# Altium PCB PCIe_to_M2E.PcbDoc (part 3 of 6)
Units mm, origin at the board's own origin, x right, y up, seen from the top; angles counter-clockwise.
Board outline 90 x 100 mm, 6 copper layers (1_TOP, 2_GND, 3_Signal, 4_GND, 5_Signal, 6_BOTTOM), stack 1.617 mm thick; 433 components, 362 nets, 1771 pads, 2680 vias.
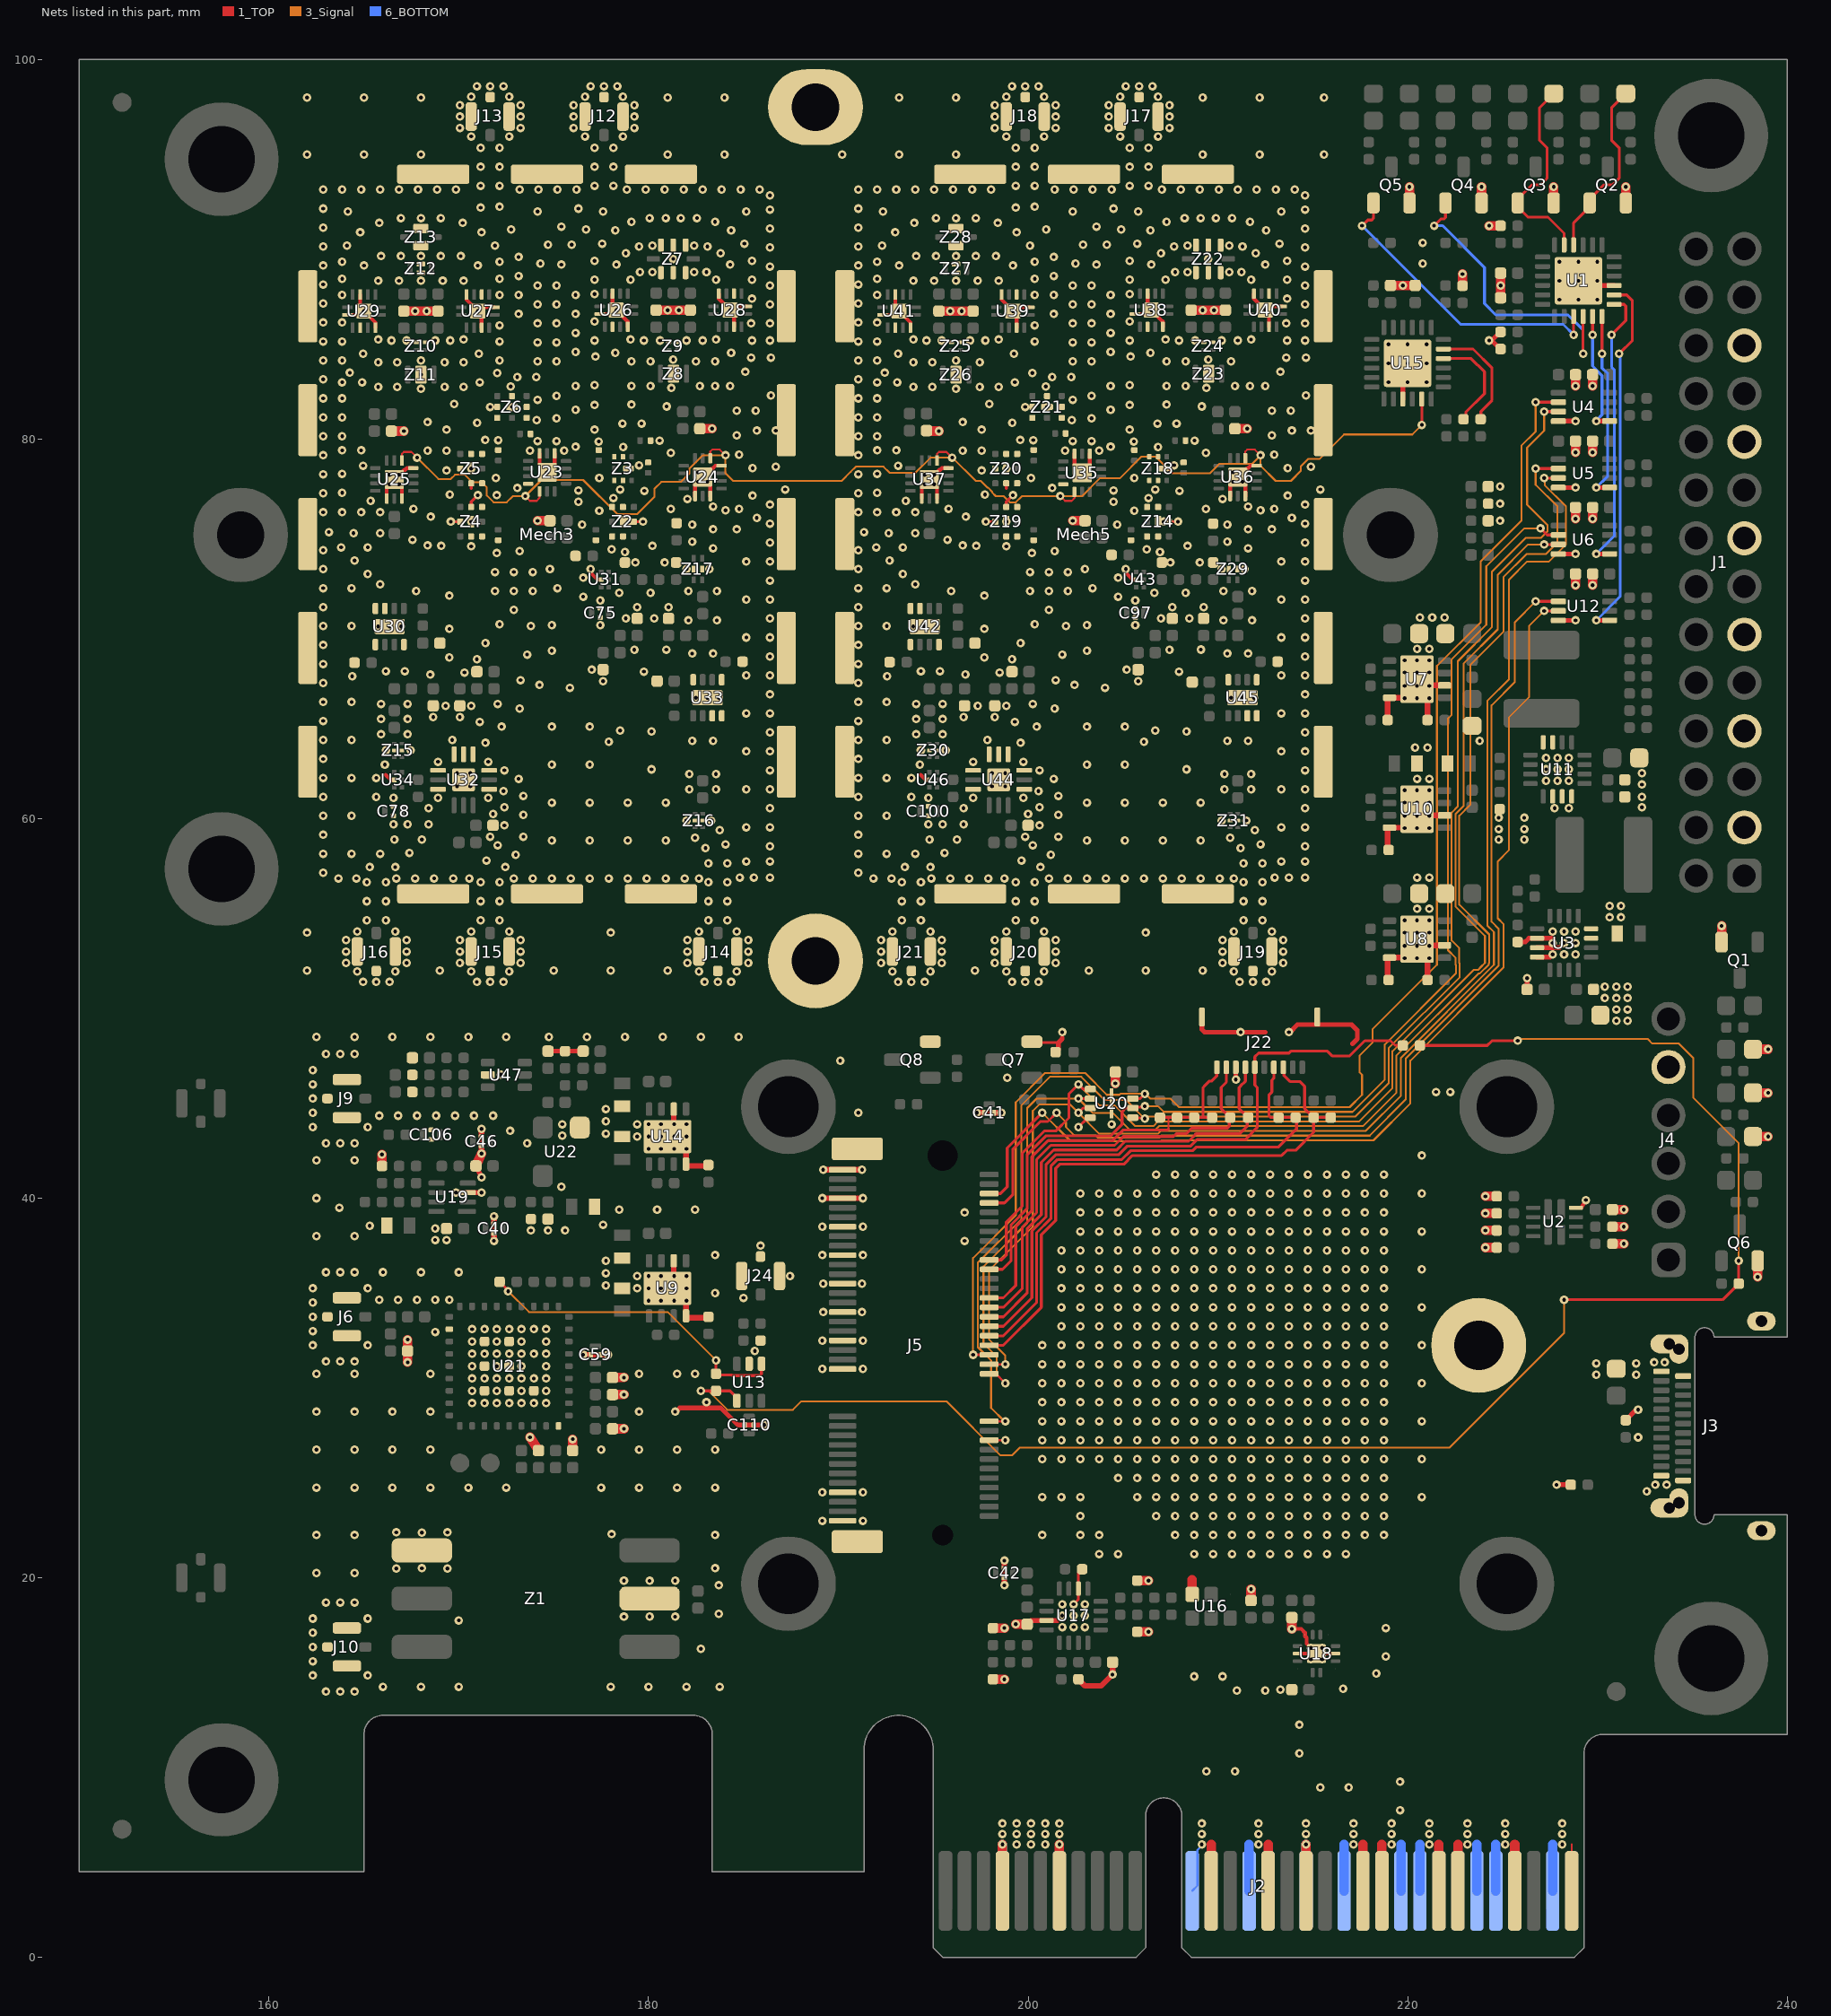
[diagram p7: the nets of this part, all layers, seen from the top]

## Via types
v1: diameter 0.45, hole 0.2, 1_TOP to 6_BOTTOM, tented both sides, 2680 vias

## Nets (pads, with @x,y where several pads share a name; then routed paths per layer and width w, separated by ;. In a path a pad name is that pad's centre, name@x,y a point inside that pad or via, vN(x,y) a via of type N, cw(c..) or ccw(c..) an arc to the next point about the centre after c; other vN are vias at no path point) (continued)
GCP11: U15.11 U23.1 U24.1 U25.1 U35.1 U36.1 U37.1 | length 73.3
  1_TOP w0.1: U25.1@167,78.875 167,79.225 167.1,79.325 167.5,79.325 v1(167.8,79.025) ; v1(173.5,77) 173.75,76.75 174.1,76.75 174.25,76.9 U23.1@174.25,77.25 ; U24.1@183.25,79 183.25,79.35 183.35,79.45 183.75,79.45 v1(184.05,79.15) ; U37.1@195.2,78.875 195.2,79.225 195.3,79.325 195.7,79.325 v1(196,79.025) ; v1(201.7,77) 201.95,76.75 202.3,76.75 202.45,76.9 U35.1@202.45,77.225 ; U36.1@211.45,79 211.45,79.35 211.55,79.45 211.95,79.45 v1(212.25,79.15)
  1_TOP w0.15: v1(220.75,80.75) U15.11@220.75,82.115
  3_Signal w0.1: v1(167.8,79.025) 168.925,77.9 169.575,77.9 169.8,78.125 170.325,78.125 170.725,77.725 171.2,77.725 171.475,77.45 171.475,77.025 171.825,76.675 172.525,76.675 172.85,77 v1(173.5,77) 174.35,77.85 176.55,77.85 178.35,76.05 179.4,76.05 180.3,76.95 180.3,77.375 180.675,77.75 181.7,77.75 182.15,78.2 182.15,78.45 182.85,79.15 v1(184.05,79.15) 184.05,78.2 184.45,77.8 190.17,77.8 190.65,78.28 190.92,78.55 192.381,78.55 192.706,78.225 194.05,78.225 194.85,79.025 v1(196,79.025) 196.025,79.025 197.25,77.8 197.5,77.8 197.85,77.45 197.88,77.45 198.1,77.23 198.1,77.2 198.3,77 198.72,77 199.045,76.675 199.355,76.675 199.68,77 v1(201.7,77) 202.847,77 203.797,77.95 204.85,77.95 205.975,79.075 206.72,79.075 207.595,78.2 209.585,78.2 210.085,78.7 211.8,78.7 v1(212.25,79.15) 212.25,78.6 213.05,77.8 213.85,77.8 214.375,78.325 214.375,78.575 214.75,78.95 215.35,78.95 216.65,80.25 220.25,80.25 v1(220.75,80.75)
GCP12: R63.1 U15.17 | length 5.9
  1_TOP w0.15: U15.17@221.885,84.75 223.45,84.75 224.45,83.75 224.45,82.05 223.862,81.462 223.862,81.062 R63.1@223.85,81.05
GCP13: R62.1 U15.16 | length 5.4
  1_TOP w0.15: U15.16@221.885,84.25 223.35,84.25 224.05,83.55 224.05,82.4 223.069,81.419 223.069,81.169 R62.1@222.95,81.05
GND: C1.1 C2.1 C3.2 C4.2 C5.2 C6.2 C7.2 C8.2 C9.2 C10.2 C11.1 C12.1 C13.1 C14.2 C15.2 C16.2 C17.2 C18.2 C19.2 C20.2 C21.2 C22.2 C23.2 C24.2 C25.2 C26.1 C27.2 C28.2 C29.2 C30.2 C31.2 C32.2 C33.2 C34.2 C35.2 C36.2 C37.2 C38.1 C39.2 C40.2 C41.2 C42.2 C43.2 C44.2 C45.2 C46.2 C47.2 C48.1 C49.2 C52.2 C53.1 C54.2 C55.1 C56.1 C59.2 C60.2 C61.2 C62.2 C63.2 C64.2 C65.2 C67.2 C68.2 C69.2 C70.2 C71.1 C74.1 C75.2 C76.2 C77.2 C78.2 C79.2 C82.2 C83.2 C84.2 C85.2 C86.2 C87.2 C89.1 C90.2 C91.2 C92.2 C93.1 C96.1 C97.2 C98.2 C99.2 C100.2 C101.2 C103.1 C104.2 C105.2 C106.2 C107.1 C108.1 C109.1 C110.2 D1.C D2.C D3.C J1.3 J1.7 J1.11 J1.15 J1.19 J1.23 J2.A4 J2.A12 J2.A15 J2.A18 J2.A20 J2.A23 J2.A24 J2.A27 J2.A28 J2.A31 J2.B4 J2.B7 J2.B13 J2.B16 J2.B18 J2.B21 J2.B22 J2.B25 J2.B26 J2.B29 J2.B32 J3.A1 J3.A12 J3.B1 J3.B12 J3.SH J4.5 J5.1 J5.7 J5.18 J5.33 J5.39 J5.45 J5.51 J5.57 J5.63 J5.69 J5.75 J5.SH J6.SH J9.SH J10.SH J12.SH J13.SH J14.SH J15.SH J16.SH J17.SH J18.SH J19.SH J20.SH J21.SH J22.8 J22.SH J24.SH L29.2 L30.2 L31.2 L32.2 L33.2 L34.2 L35.2 L37.2 L38.2 L39.2 L40.2 L41.2 L42.2 L43.2 Mech1.SH Mech3.SH Mech5.SH pad.MH@188.8,52.5 pad.MH@188.8,97.5 Q1.2 Q2.2 Q3.2 Q4.2 Q5.2 Q6.2 Q7.2 Q8.2 R1.1 R4.1 R5.1 R6.1 R8.1 R9.2 R10.2 R11.1 R13.1 R14.1 R17.1 R23.1 R25.1 R27.1 R29.1 R47.1 R53.1 R60.1 R61.2 R65.2 R67.1 R69.1 R72.1 R73.2 R76.1 R80.2 R97.1 R99.1 R101.1 R103.1 R110.1 R111.1 R113.2 R116.2 R118.1 R119.1 R121.2 R122.2 R125.1 R127.1 R128.1 R130.2 R131.2 R133.2 R136.1 R137.1 R138.2 U1.9 U1.EP U2.12 U3.6 U3.7 U3.8 U3.15 U3.16 U3.EP U4.4 U5.4 U6.4 U7.4 U7.6 U7.EP U8.4 U8.6 U8.EP U9.4 U9.6 U9.EP U10.4 U10.6 U10.EP U11.6 U11.7 U11.8 U11.15 U11.16 U11.EP U12.4 U13.2 U14.4 U14.6 U14.EP U15.9 U15.EP U16.3 U17.6 U17.11 U17.EP U18.3 U18.12 U18.18 U18.EP U19.3 U20.4 U20.EP U21.2 U21.18 U21.37 U21.38 U21.39 U21.40 U21.41 U21.42 U21.43 U22.2 U23.8 U23.10 U23.14 U23.EP U24.8 U24.10 U24.14 U24.EP U25.8 U25.10 U25.14 U25.EP U26.5 U26.8 U26.10 U26.12 U26.EP U27.5 U27.8 U27.10 U27.12 U27.EP U28.5 U28.8 U28.10 U28.12 U28.EP U29.5 U29.8 U29.10 U29.12 U29.EP U30.3 U30.4 U30.5 U30.8 U30.EP U31.2 U32.1 U32.3 U32.4 U32.5 U32.6 U32.7 U32.9 U32.EP U33.3 U33.4 U33.5 U33.8 U33.EP U34.2 U35.8 U35.10 U35.14 U35.EP U36.8 U36.10 U36.14 U36.EP U37.8 U37.10 U37.14 U37.EP U38.5 U38.8 U38.10 U38.12 U38.EP U39.5 U39.8 U39.10 U39.12 U39.EP U40.5 U40.8 U40.10 U40.12 U40.EP U41.5 U41.8 U41.10 U41.12 U41.EP U42.3 U42.4 U42.5 U42.8 U42.EP U43.2 U44.1 U44.3 U44.4 U44.5 U44.6 U44.7 U44.9 U44.EP U45.3 U45.4 U45.5 U45.8 U45.EP U46.2 U47.2 Z1.2 Z1.6 Z2.GND Z3.GND Z4.GND Z5.GND Z6.GND Z7.2 Z8.2 Z9.3 Z10.3 Z11.2 Z12.2 Z13.2 Z14.GND Z15.2 Z15.5 Z16.2 Z16.5 Z17.2 Z17.5 Z18.GND Z19.GND Z20.GND Z21.GND Z22.2 Z23.2 Z24.3 Z25.3 Z26.2 Z27.2 Z28.2 Z29.2 Z29.5 Z30.2 Z30.5 Z31.2 Z31.5 | length 227.7
  1_TOP w0.1: J2.B32@228.65,3.5 228.65,5.95
  1_TOP w0.12: J5.18@197.95,27.25 v1(198.8,27.25)
  1_TOP w0.15: v1(169.575,75.65) Z4.GND@170.075,75.65 ; Z4.GND@170.65,76.425 170.65,76.7 v1(171,77.05) ; 170.65,77.4 Z5.GND@170.65,77.675 ; v1(171.65,81.7) Z6.GND@172.025,81.7 ; Z2.GND@179.2,75.65 v1(179.7,75.65) ; v1(197.775,75.65) Z19.GND@198.275,75.65 ; Z19.GND@198.85,76.425 198.85,76.7 v1(199.2,77.05) ; 198.85,77.4 Z20.GND@198.85,77.675 ; v1(199.85,81.7) Z21.GND@200.225,81.7 ; Q7.2@200,48.2 201.55,48.2 201.8,48.45 ; v1(202.4,18.6) 202.65,18.85 U17.6@202.65,19.425 202.65,20.25 R69.1@202.85,20.45 ; v1(202.65,43.75) 203.15,44.25 U20.4@203.28,44.25 ; Z14.GND@207.4,75.65 v1(207.9,75.65)
  1_TOP w0.2: U29.8@164.125,86.55 164.8,86.55 v1(165,86.75) ; U29.5@164.8,87.625 164.8,86.95 v1(165,86.75) ; U29.12@165.6,85.875 165.6,86.15 v1(165,86.75) ; 166.138,62.312 166.4,62.05 U34.2@166.6,62.05 ; U25.8@166.2,76.875 166.2,77.475 U25.EP@166.6,77.875 ; U25.EP@166.3,77.6 166.575,77.875 U25.EP@166.6,77.875 ; U25.EP@166.888,77.588 167,77.475 U25.10@167,76.875 ; U25.EP@166.888,78.163 167.071,78.346 167.096,78.346 167.125,78.375 167.165,78.375 167.265,78.475 U25.14@167.6,78.475 ; U25.EP@166.9,77.6 166.625,77.875 U25.EP@166.6,77.875 ; U25.EP@166.9,78.15 166.675,77.925 166.675,77.875 U25.EP@166.6,77.875 ; U27.12@170.4,87.35 v1(171,86.75) ; U27.5@171.2,85.875 171.2,86.55 v1(171,86.75) ; U27.8@171.875,86.95 171.2,86.95 v1(171,86.75) ; U23.10@174.25,79.25 174.25,78.65 v1(174.65,78.25) 175.05,78.65 U23.8@175.05,79.25 ; v1(176.95,73.15) 176.95,72.95 177.3,72.6 U31.2@177.5,72.6 ; U26.8@177.425,86.6 178.1,86.6 v1(178.3,86.8) ; U26.5@178.1,87.675 178.1,87 v1(178.3,86.8) ; U26.12@178.9,85.925 178.9,86.2 v1(178.3,86.8) ; U24.8@182.45,77 182.45,77.6 U24.EP@182.85,78 ; v1(182.6,78.25) U24.EP@182.85,78 ; U24.10@183.25,77 183.25,77.6 U24.EP@182.85,78 ; U28.12@183.7,87.675 183.7,87.4 v1(184.3,86.8) ; U24.14@183.85,78.6 183.525,78.6 183.35,78.425 183.275,78.425 U24.EP@182.85,78 ; U28.5@184.5,85.925 184.5,86.6 v1(184.3,86.8) ; U28.8@185.175,87 184.5,87 v1(184.3,86.8) ; U41.8@192.325,86.55 193,86.55 v1(193.2,86.75) ; U41.5@193,87.625 193,86.95 v1(193.2,86.75) ; U41.12@193.8,85.875 193.8,86.15 v1(193.2,86.75) ; 194.338,62.312 194.6,62.05 U46.2@194.8,62.05 ; U37.8@194.4,76.875 194.4,77.475 U37.EP@194.8,77.875 ; U37.EP@194.5,77.6 194.775,77.875 U37.EP@194.8,77.875 ; U37.EP@195.088,77.587 195.2,77.475 U37.10@195.2,76.875 ; U37.EP@195.088,78.163 195.271,78.346 195.296,78.346 195.325,78.375 195.365,78.375 195.465,78.475 U37.14@195.8,78.475 ; U37.EP@195.1,77.6 194.825,77.875 U37.EP@194.8,77.875 ; U37.EP@195.1,78.15 194.875,77.925 194.875,77.875 U37.EP@194.8,77.875 ; 198.6,87.35 v1(199.2,86.75) ; U39.5@199.4,85.875 199.4,86.55 v1(199.2,86.75) ; U39.8@200.075,86.95 199.4,86.95 v1(199.2,86.75) ; U35.10@202.45,79.25 202.45,78.65 v1(202.85,78.25) 203.25,78.65 U35.8@203.25,79.25 ; v1(205.15,73.15) 205.15,72.95 205.5,72.6 U43.2@205.7,72.6 ; U38.8@205.625,86.6 206.3,86.6 v1(206.5,86.8) ; U38.5@206.3,87.675 206.3,87 v1(206.5,86.8) ; U38.12@207.1,85.925 207.1,86.2 v1(206.5,86.8) ; U36.8@210.65,77 210.65,77.6 U36.EP@211.05,78 ; v1(210.8,78.25) U36.EP@211.05,78 ; U36.10@211.45,77 211.45,77.6 U36.EP@211.05,78 ; U40.12@211.9,87.675 211.9,87.4 v1(212.5,86.8) ; U36.14@212.05,78.6 211.725,78.6 211.55,78.425 211.475,78.425 U36.EP@211.05,78 ; U40.5@212.7,85.925 212.7,86.6 v1(212.5,86.8) ; U40.8@213.375,87 212.7,87 v1(212.5,86.8) ; v1(213.9,17.3) 214.4,17.3 214.6,17.1 U18.18@214.6,17 214.6,16.918 214.675,16.843 214.675,16.525 v1(214.9,16.3) ; U18.3@214.2,16 U18.EP@215.2,16 U18.12@216.2,16 ; U2.12@228.875,39.5 229.15,39.5 v1(229.4,39.9)
  1_TOP w0.25: v1(169.85,40.3) U19.3@170.475,40.3 v1(171.2,40.3) ; C48.1@170.9,41.7 v1(171.2,41.1) ; C107.1@174.7,47.75 R103.1@175.6,47.75 C56.1@176.55,47.75 ; v1(181.4,28.75) 181.446,28.75 181.646,28.95 183.8,28.95 184.7,28.05 C110.2@185.05,28.05 C110.2@185.55,28.05 v1(186.1,28.05) ; C34.2@199.95,17.55 200.15,17.75 U17.11@200.975,17.75 201.55,17.75 v1(201.8,18) ; R101.1@201.45,47.7 201.592,47.842 201.592,48.188 201.8,48.396 201.8,48.45 ; J22.SH@209.16,49.55 209.16,48.896 209.306,48.75 212.5,48.75 ; v1(210.95,46.25) J22.8@210.95,46.9 ; v1(213.75,48.75) 213.799,48.75 214.199,49.15 217.05,49.15 217.35,48.85 217.35,48.4 217.088,48.138 ; U15.9@219.75,82.115 219.75,83.75 v1(220,84) ; v1(224.3,85.2) 224.338,85.162 224.482,85.162 224.893,84.75 R97.1@224.9,84.75 ; v1@224.482,85.238 224.893,85.65 R99.1@224.9,85.65 ; R11.1@225.8,53.5 226.2,53.5 226.4,53.7 U3.6@226.825,53.7 227.65,53.7 v1(227.65,53.45) ; C4.2@226.3,51 v1(226.3,51.6) ; U3.8@226.825,52.7 227.5,52.7 v1(227.65,52.85) ; U3.7@226.825,53.2 228,53.2 v1(228.25,53.45) ; v1(227.85,24.9) R130.2@228.6,24.9 ; U12.4@227.95,70.45 v1(228.85,70.45) ; U6.4@227.95,73.95 v1(228.85,73.95) ; U5.4@227.95,77.45 v1(228.85,77.45) ; U4.4@227.95,80.95 v1(228.85,80.95) ; v1(229,88.35) 229.25,88.1 U1.9@230.885,88.1 ; R65.2@231.5,28.3 232.012,28.812 232.112,28.812 v1(232.15,28.85)
  1_TOP w0.3: v1(171.2,42.35) C46.2@171.2,42.75 C46.2@171.2,43.25 v1(171.2,43.65) ; v1(171.85,37.75) C40.2@171.85,38.15 C40.2@171.85,38.65 v1(171.85,39.05) ; v1(176.55,31.75) v1(177.85,31.75) ; U9.EP@181,35.25 181.325,35.575 U9.6@181.325,36.7 ; U14.EP@181,43.25 181.325,43.575 U14.6@181.325,44.7 ; v1(182,34.6) 181.975,34.575 U9.4@181.975,33.8 182.075,33.7 R23.1@183.15,33.7 ; v1(182,42.6) 181.975,42.575 U14.4@181.975,41.8 182.075,41.7 R47.1@183.15,41.7 ; v1(189.15,40) J5.69@190.225,40 v1@191.25,40 ; v1(189.2,41.5) J5.75@190.225,41.5 v1(191.25,41.5) ; v1(197.3,44.5) C41.2@197.7,44.5 C41.2@198.2,44.5 v1(198.6,44.5) ; v1(198.75,19.6) v1(198.75,20.9) ; R67.1@202.65,14.65 203,14.3 203.85,14.3 v1(204.45,14.9) C36.2@204.45,15.55 ; R29.1@218.95,51.5 218.95,52.575 U8.4@219.05,52.675 219.825,52.675 v1(219.85,52.65) ; R25.1@218.95,58.35 218.95,59.425 U10.4@219.05,59.525 219.825,59.525 v1(219.85,59.5) ; R27.1@218.95,65.2 218.95,66.275 U7.4@219.05,66.375 219.825,66.375 v1(219.85,66.35) ; U8.EP@220.5,53.65 220.825,53.325 U8.6@221.95,53.325 ; U10.EP@220.5,60.5 220.825,60.175 U10.6@221.95,60.175 ; U7.EP@220.5,67.35 220.825,67.025 U7.6@221.95,67.025 ; R14.1@221.05,51.5 221.05,52.55 v1(221.15,52.65) ; R13.1@221.05,65.2 221.05,66.25 v1(221.15,66.35)
  1_TOP w0.5: R76.1@165.95,41.7 v1(165.95,42.3) ; C62.2@166.45,80.425 v1(167.1,80.425) ; C68.2@167.1,86.75 v1(167.7,86.75) v1(168.3,86.75) C64.2@168.9,86.75 ; v1(167.3,31.35) C55.1@167.3,31.95 v1(167.3,32.55) ; C48.1@170.9,41.7 v1(171.2,42.35) ; v1(173.75,27.4) C44.2@174.2,26.7 ; v1(174.15,75.7) C60.2@174.8,75.7 ; C45.2@176,26.7 v1(176,27.3) ; C54.2@178.1,27.85 v1(178.7,27.85) ; C53.1@178.1,29.65 v1(178.7,29.65) ; C52.2@178.1,30.55 v1(178.7,30.55) ; C63.2@180.4,86.8 v1(181,86.8) v1(181.6,86.8) C65.2@182.2,86.8 ; C61.2@182.7,80.55 v1(183.35,80.55) ; C84.2@194.65,80.425 v1(195.3,80.425) ; C90.2@195.3,86.75 v1(195.9,86.75) v1(196.5,86.75) C86.2@197.1,86.75 ; R73.2@198.15,14.65 v1(198.75,14.65) ; R72.1@198.15,17.35 v1(198.75,17.35) ; J2.B4@198.65,3.5 v1(198.65,5.95) ; v1(199.35,17.55) C34.2@199.95,17.55 ; J2.B7@201.65,3.5 v1(201.65,5.95) ; v1(202.35,75.7) C82.2@203,75.7 ; v1(204.6,46.05) C47.2@204.6,46.65 ; R61.2@205.75,17.15 v1(206.35,17.15) ; R60.1@205.75,19.85 v1(206.35,19.85) ; C85.2@208.6,86.8 v1(209.2,86.8) v1(209.8,86.8) C87.2@210.4,86.8 ; U16.3@208.65,19.125 208.65,19.9 ; J2.B13@209.65,3.5 209.65,5.95 ; C83.2@210.9,80.55 v1(211.55,80.55) ; C32.2@211.75,18.8 v1(211.75,19.4) ; J2.B16@212.65,3.5 212.65,5.95 ; v1(213.9,17.3) C35.2@213.9,17.9 ; J2.B18@214.65,3.5 v1(214.65,5.95) ; J2.B21@217.65,3.5 217.65,5.95 ; J2.B22@218.65,3.5 218.65,5.95 ; C30.2@219.1,88.1 v1(219.75,88.1) C31.2@220.4,88.1 ; Q5.2@220.1,92.45 v1(220.1,93.3) ; J2.B25@221.65,3.5 221.65,5.95 ; J2.B26@222.65,3.5 222.65,5.95 ; R53.1@222.9,88.1 v1(222.9,88.7) ; Q4.2@223.9,92.45 v1(223.9,93.3) ; v1(224.1,37.4) R5.1@224.7,37.4 ; v1(224.1,38.3) R6.1@224.7,38.3 ; v1(224.1,39.2) R4.1@224.7,39.2 ; v1(224.1,40.1) R9.2@224.7,40.1 ; v1(224.3,91.25) R1.1@224.9,91.25 ; C2.1@224.9,87.45 v1(224.9,88.1) C1.1@224.9,88.75 ; J2.B29@225.65,3.5 225.65,5.95 ; Q3.2@227.7,92.45 v1(227.7,93.3) ; v1(228.85,72.3) C19.2@228.85,72.9 ; v1(228.85,75.8) C10.2@228.85,76.4 ; v1(228.85,79.3) C9.2@228.85,79.9 ; v1(228.85,82.8) C8.2@228.85,83.4 ; v1(229.75,72.3) C26.1@229.75,72.9 ; v1(229.75,75.8) C13.1@229.75,76.4 ; v1(229.75,79.3) C12.1@229.75,79.9 ; v1(229.75,82.8) C11.1@229.75,83.4 ; R10.2@230.8,37.6 v1(231.4,37.6) ; R8.1@230.8,38.5 v1(231.4,38.5) ; C6.2@230.8,39.4 v1(231.4,39.4) ; Q2.2@231.5,92.45 v1(231.5,93.3) ; Q1.2@236.55,53.5 v1(236.55,54.35) ; D2.C@238.21,43.25 v1(239,43.25) ; D1.C@238.21,45.55 v1(239,45.55) ; D3.C@238.21,47.85 v1(239,47.85) ; v1(238.45,35.85) Q6.2@238.45,36.7
  6_BOTTOM w0.1: J2.A12@208.65,3.5 208.925,3.775 208.925,5.653 209.15,5.878 v1(209.15,5.95)
  6_BOTTOM w0.5: J2.A4@198.65,3.5 v1(198.65,5.95) ; J2.A15@211.65,3.5 211.65,5.95 ; J2.A18@214.65,3.5 v1(214.65,5.95) ; J2.A20@216.65,3.5 216.65,5.95 ; J2.A23@219.65,3.5 219.65,5.95 ; J2.A24@220.65,3.5 220.65,5.95 ; J2.A27@223.65,3.5 223.65,5.95 ; J2.A28@224.65,3.5 224.65,5.95 ; J2.A31@227.65,3.5 227.65,5.95